# Altium PCB Sensors_IO_Board.PcbDoc (part 1 of 2)
Units mm, origin at the board's own origin, x right, y up, seen from the top; angles counter-clockwise.
Board outline 100 x 100 mm, 2 copper layers (Top Layer, Bottom Layer); 246 components, 158 nets, 760 pads, 0 vias.
Unrouted connection lines stored in the file: 558.
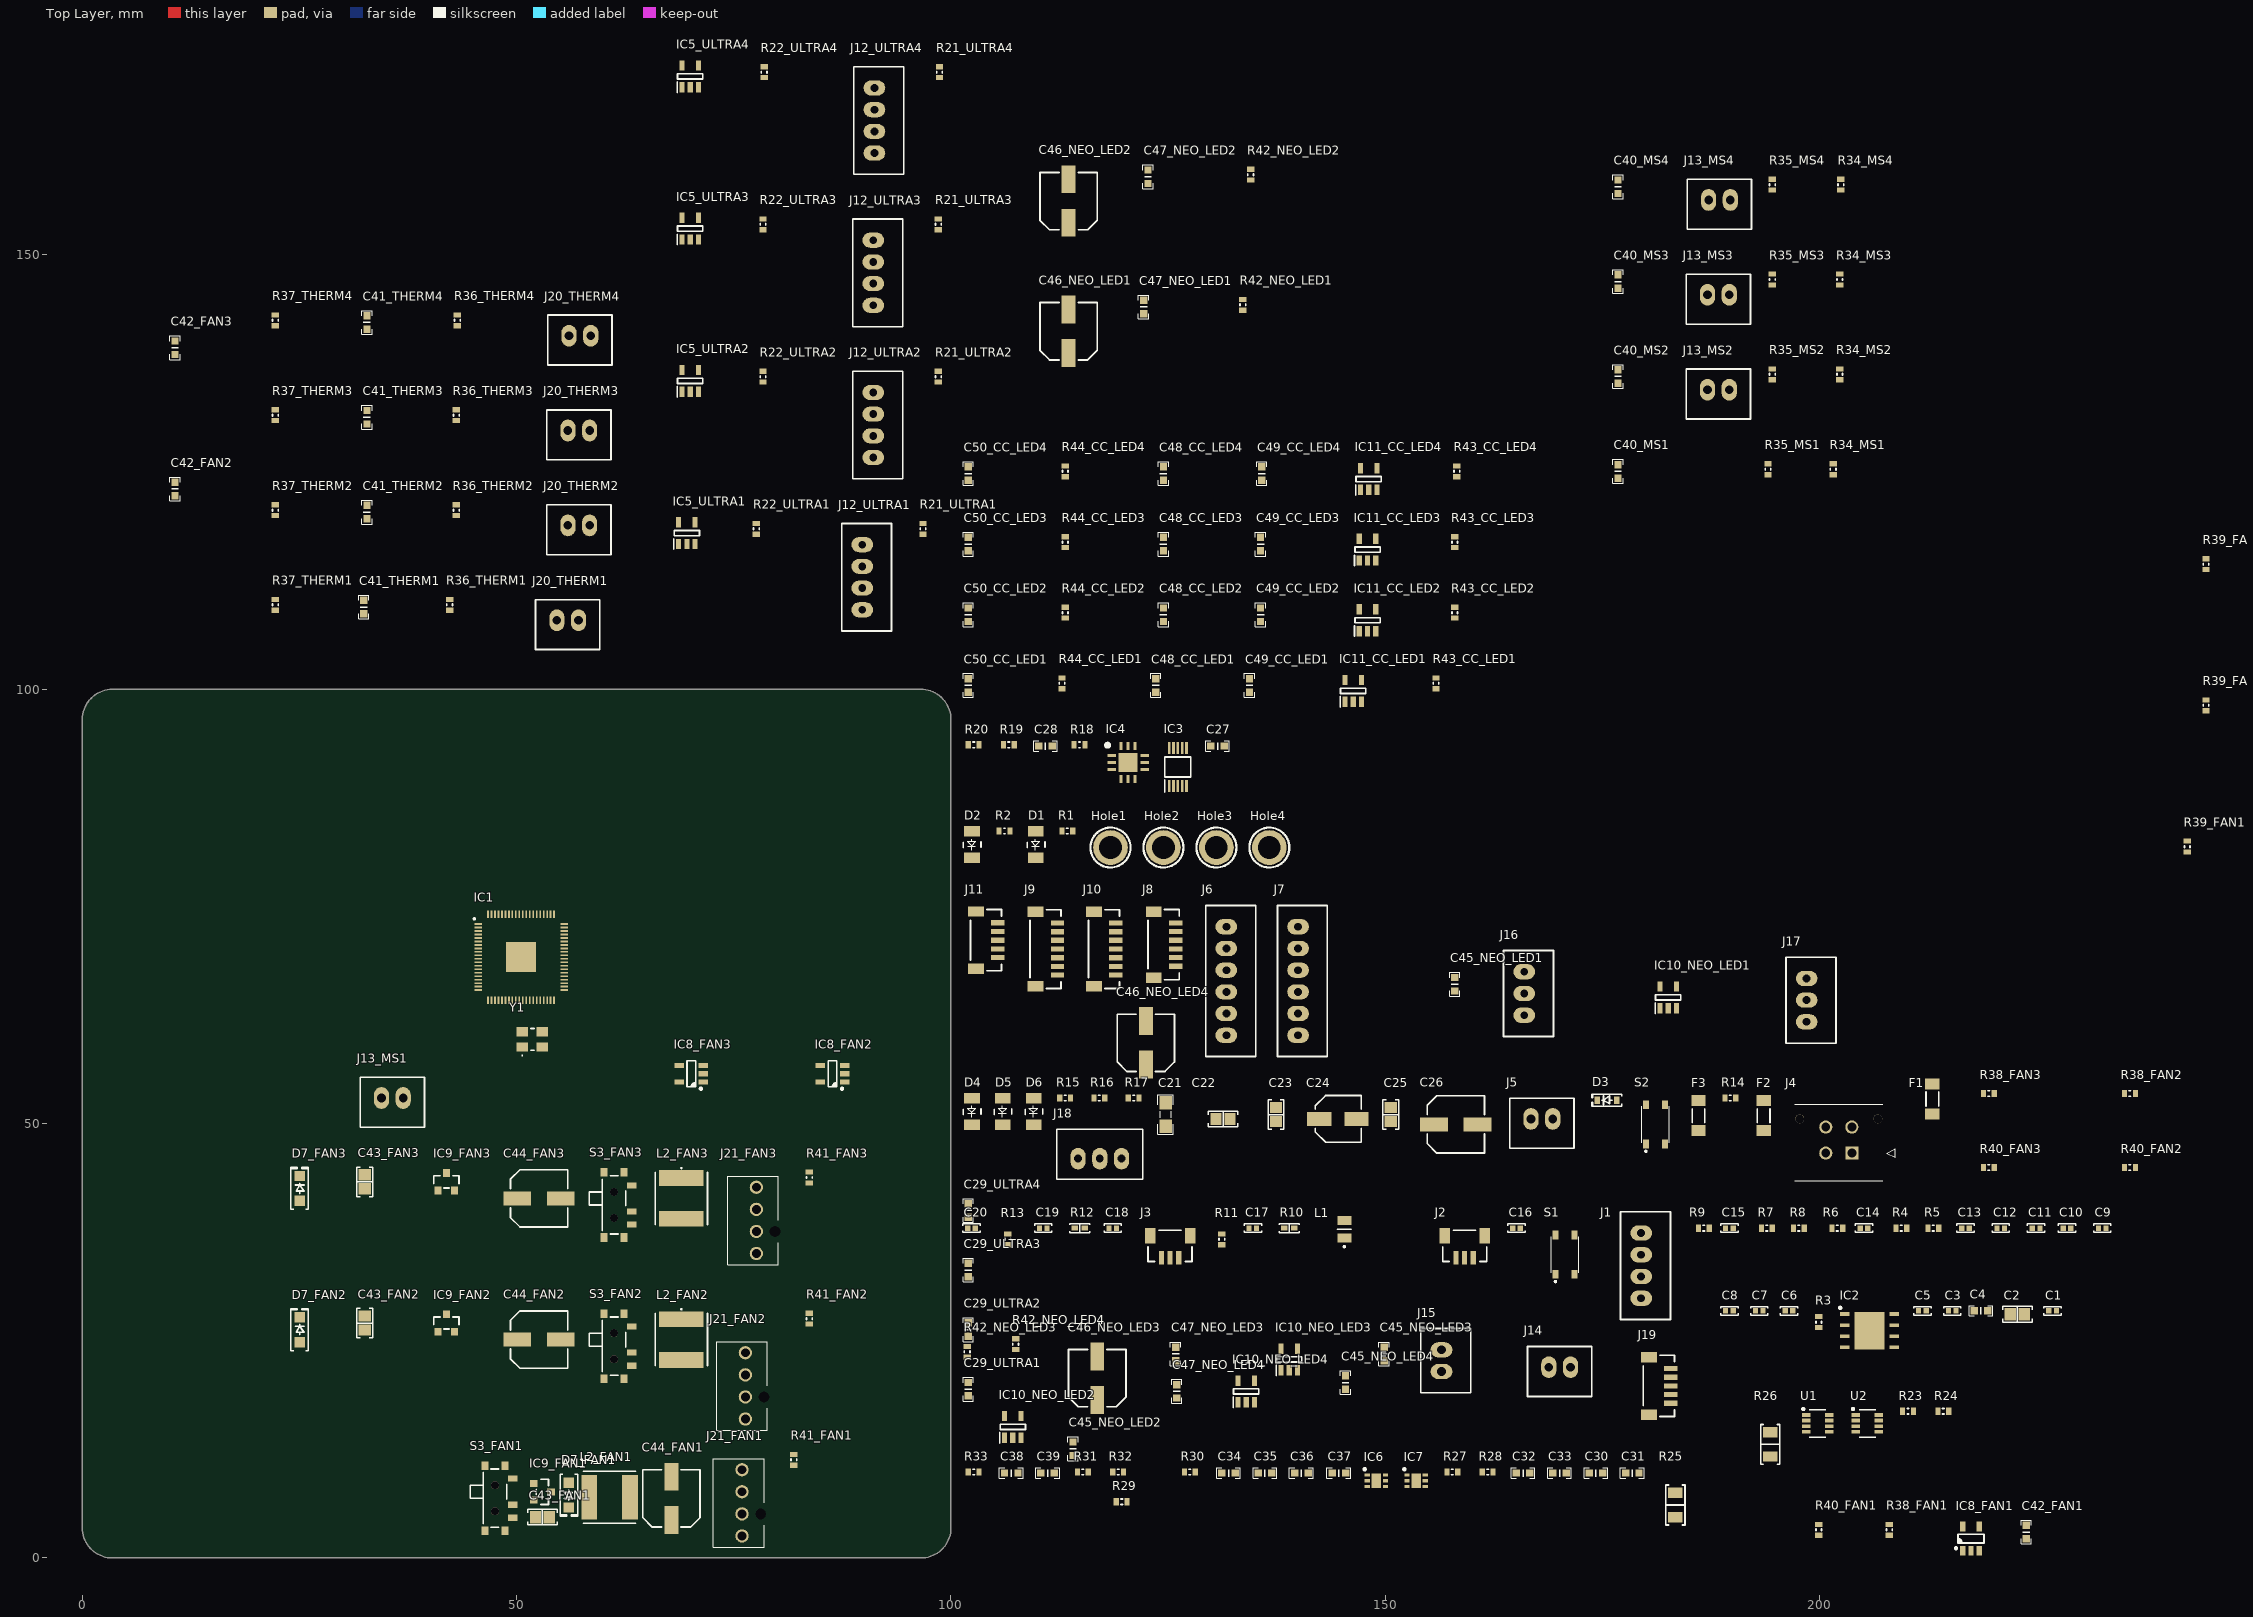
[diagram p0: Top Layer view]
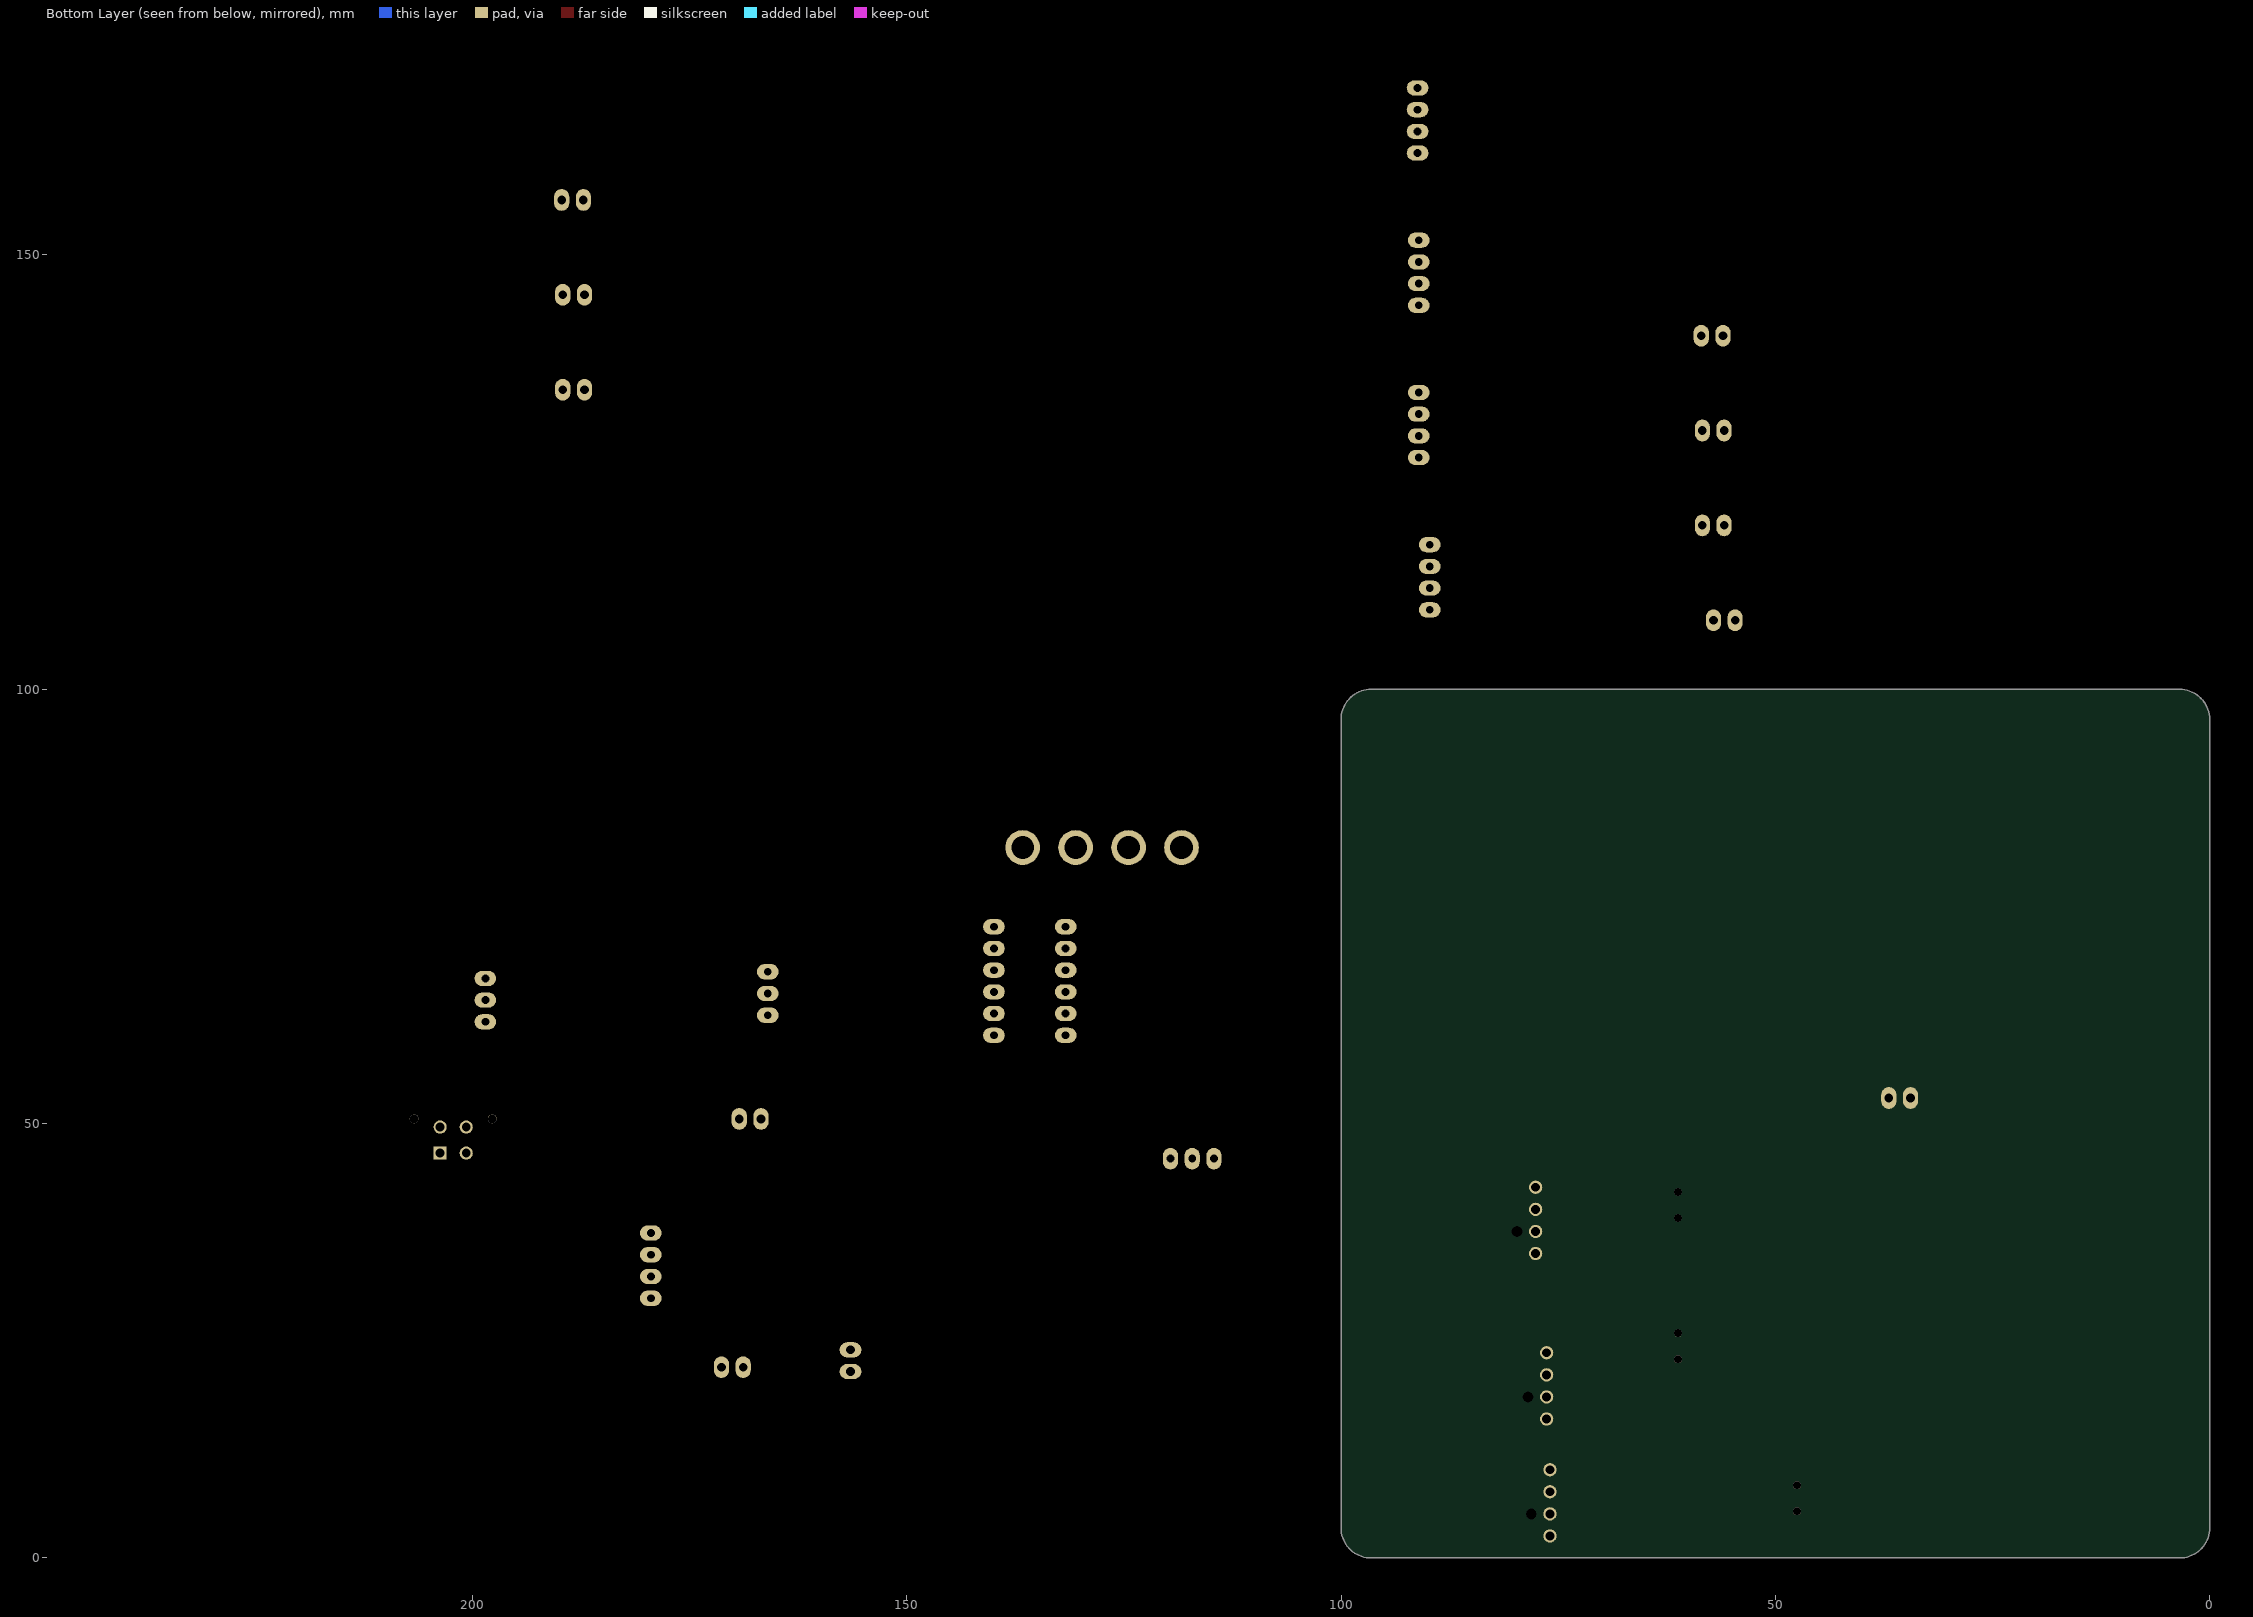
[diagram p1: Bottom Layer view, seen from below]

## Layer stack, top to bottom
Top Solder: solder mask 0.0102, Solder Resist, Dk 3.5
Top Layer: signal copper 0.0356
Dielectric 1: dielectric 0.32, FR-4, Dk 4.8
Bottom Layer: signal copper 0.0356
Bottom Solder: solder mask 0.0102, Solder Resist, Dk 3.5

## Board outline
3.479,0 cw(c3.479,3.479) 0,3.479 0,96.521 cw(c3.479,96.521) 3.479,100 96.521,100 cw(c96.521,96.521) 100,96.521 100,3.479 cw(c96.521,3.479) 96.521,0

## Design rules (kind name [scope] priority, off if disabled: settings)
BoardOutlineClearance [All] p1: gap=0.2 ignorepadtopadclearanceinfootprint=FALSE except(0: Fill-OutlineEdge Fill-CavityEdge Fill-CutoutEdge Fill-SplitBarrior Fill-SplitContinuation Poly-OutlineEdge Poly-CavityEdge Poly-CutoutEdge Poly-SplitBarrior Poly-SplitContinuation Region-OutlineEdge Region-CavityEdge Region-CutoutEdge Region-SplitBarrior Region-SplitContinuation; 0.15: Text-OutlineEdge Text-CavityEdge Text-CutoutEdge Text-SplitBarrior Text-SplitContinuation)
Clearance "Stitching GND" [IsStitchingVia and InNet('GND') vs (IsVia and (Not IsStitchingVia)) Or IsPad] p1: gap=0.2 ignorepadtopadclearanceinfootprint=FALSE except(0.28: Arc-Hole Track-Hole)
Clearance [All] p2: gap=0.2 ignorepadtopadclearanceinfootprint=FALSE except(0.28: Arc-Hole Track-Hole)
DiffPairsRouting [All] p1: maxlimit=0.254 minlimit=0.254 mostfreqgap=0.254 toplayer_minwidth=0.381 toplayer_maxwidth=0.5 toplayer_prefwidth=0.4 bottomlayer_minwidth=0.381 bottomlayer_maxwidth=0.5 bottomlayer_prefwidth=0.4 maxuncoupledlength=12.7
HoleSize [All] p1: absolutevalues=TRUE maxlimit=6 minlimit=0.15 maxpercent=80.000 minpercent=20.000
HoleToHoleClearance [All] p1: gap=0.2 allowstackedmicrovias=TRUE
MinimumAnnularRing MinimumViaAnnularRing [IsVia] p1: minimumring=0.15
MinimumAnnularRing [All] p2: minimumring=0.2
MinimumSolderMaskSliver [All] p1: minsoldermaskwidth=0.1
PlaneConnect [All] p1: planeconnectstyle=Relief reliefexpansion=0.508 reliefentries=4 reliefconductorwidth=0.32 reliefairgap=0.254
PolygonConnect GNDStitchingDirect [InNet('GND')] p1: thpad.connectstyle=Relief thpad.reliefconductorwidth=0.32 thpad.reliefentries=4 thpad.polygonreliefangle="90 Angle" thpad.airgapwidth=0.254 thpad.conductorbypadedge=TRUE thpad.mindistance=0.381 thpad.enablemindistance=FALSE smdpad.connectstyle=Relief smdpad.reliefconductorwidth=0.32 smdpad.reliefentries=4 smdpad.polygonreliefangle="90 Angle" smdpad.airgapwidth=0.254 smdpad.conductorbypadedge=TRUE smdpad.mindistance=0.381 smdpad.enablemindistance=FALSE via.connectstyle=Direct via.reliefconductorwidth=0.254 via.reliefentries=4 via.polygonreliefangle="90 Angle" via.airgapwidth=0.254
PolygonConnect [All] p2: connectstyle=Relief reliefconductorwidth=0.32 reliefentries=4 polygonreliefangle="90 Angle" conductorbypadedge=TRUE mindistance=0.381 enablemindistance=FALSE airgapwidth=0.254
RoutingVias [All] p1: holewidth=0.4 width=0.8 viastyle="Through Hole" minholewidth=0.2 minwidth=0.5 maxholewidth=0.8 maxwidth=1.5
SilkToSilkClearance [All] p1: silktosilkclearance=0.1
SilkToSolderMaskClearance [IsPad] p1: minsilkscreentomaskgap=0.1 clearancetoexposedcopper=TRUE
SolderMaskExpansion [All] p1: expansion=0.04 istentingtop=FALSE
SupplyNets "Schematic Supply Nets_9" [InNet('VBAT_AUX')] p1: voltage=12.60
SupplyNets "Schematic Supply Nets_4" [InNet('VBAT')] p2: voltage=12.60
SupplyNets "Schematic Supply Nets_3" [InNet('+5V_AUX')] p3: voltage=5.000
SupplyNets "Schematic Supply Nets_2" [InNet('+5V')] p4: voltage=5.000
SupplyNets "Schematic Supply Nets" [InNet('+3V3')] p5: voltage=3.300
SupplyNets "Schematic Supply Nets_1" [InNet('GND')] p6: voltage=0.000
UnRoutedNet [All] p1: checkbadconnections=TRUE
Width [All] p1: maxlimit=1.4 minlimit=0.254 preferedwidth=0.6
22 further rules are at their usual default settings.

## Classes and differential pairs
net class NEOPIXEL_DOUT[1..3]: NEOPIXEL_DOUT1 NEOPIXEL_DOUT2 NEOPIXEL_DOUT3
component class NEO_LED4: C45_NEO_LED4 C46_NEO_LED4 C47_NEO_LED4 IC10_NEO_LED4 R42_NEO_LED4
net class CC_LED_OUT[1..4]: CC_LED_OUT1 CC_LED_OUT2 CC_LED_OUT3 CC_LED_OUT4
component class NEO_LED3: C45_NEO_LED3 C46_NEO_LED3 C47_NEO_LED3 IC10_NEO_LED3 R42_NEO_LED3
component class Sensors_IO_Board: D1 D2 Hole1 Hole2 Hole3 Hole4 R1 R2
channel class Ultrasonic_Interface: ULTRA1 ULTRA2 ULTRA3 ULTRA4
channel class Temp_Interface: THERM1 THERM2 THERM3 THERM4
channel class Neopixel_Interface: NEO_LED1 NEO_LED2 NEO_LED3 NEO_LED4
channel class Microswitch_Interface: MS1 MS2 MS3 MS4
channel class Fan_Drive: FAN1 FAN2 FAN3
channel class CC_LED_Drive: CC_LED1 CC_LED2 CC_LED3 CC_LED4
net class NEOPIXEL_DIN[1..4]: NEOPIXEL_DIN1 NEOPIXEL_DIN2 NEOPIXEL_DIN3 NEOPIXEL_DIN4
net class CC_PWM_LED[1..4]: CC_PWM_LED1 CC_PWM_LED2 CC_PWM_LED3 CC_PWM_LED4
component class ULTRA4: C29_ULTRA4 IC5_ULTRA4 J12_ULTRA4 R21_ULTRA4 R22_ULTRA4
component class ULTRA3: C29_ULTRA3 IC5_ULTRA3 J12_ULTRA3 R21_ULTRA3 R22_ULTRA3
component class ULTRA2: C29_ULTRA2 IC5_ULTRA2 J12_ULTRA2 R21_ULTRA2 R22_ULTRA2
component class ULTRA1: C29_ULTRA1 IC5_ULTRA1 J12_ULTRA1 R21_ULTRA1 R22_ULTRA1
component class THERM_CTRL: C27 C28 IC3 IC4 R18 R19 R20
component class THERM4: C41_THERM4 J20_THERM4 R36_THERM4 R37_THERM4
component class THERM3: C41_THERM3 J20_THERM3 R36_THERM3 R37_THERM3
component class THERM2: C41_THERM2 J20_THERM2 R36_THERM2 R37_THERM2
component class THERM1: C41_THERM1 J20_THERM1 R36_THERM1 R37_THERM1
component class SENS_IO: J6 J7 J8 J9 J10 J11
component class PWR: C21 C22 C23 C24 C25 C26 D3 D4 D5 D6 F1 F2 F3 J4 J5 R14 R15 R16 R17 S2
component class NEO_LED2: C45_NEO_LED2 C46_NEO_LED2 C47_NEO_LED2 IC10_NEO_LED2 R42_NEO_LED2
component class NEO_LED1: C45_NEO_LED1 C46_NEO_LED1 C47_NEO_LED1 IC10_NEO_LED1 R42_NEO_LED1
component class MS4: C40_MS4 J13_MS4 R34_MS4 R35_MS4
component class MS3: C40_MS3 J13_MS3 R34_MS3 R35_MS3
component class MS2: C40_MS2 J13_MS2 R34_MS2 R35_MS2
component class MS1: C40_MS1 J13_MS1 R34_MS1 R35_MS1
component class MCU: C1 C2 C3 C4 C5 C6 C7 C8 C9 C10 C11 C12 C13 C14 C15 C16 C17 C18 C19 C20 IC1 IC2 J1 J2 J3 L1 R3 R4 R5 R6 R7 R8 R9 R10 R11 R12 R13 S1 Y1
component class LIGHTING: J14 J15 J16 J17 J18 J19
component class FAN3: C42_FAN3 C43_FAN3 C44_FAN3 D7_FAN3 IC8_FAN3 IC9_FAN3 J21_FAN3 L2_FAN3 R38_FAN3 R39_FAN3 R40_FAN3 R41_FAN3 S3_FAN3
component class FAN2: C42_FAN2 C43_FAN2 C44_FAN2 D7_FAN2 IC8_FAN2 IC9_FAN2 J21_FAN2 L2_FAN2 R38_FAN2 R39_FAN2 R40_FAN2 R41_FAN2 S3_FAN2
component class FAN1: C42_FAN1 C43_FAN1 C44_FAN1 D7_FAN1 IC8_FAN1 IC9_FAN1 J21_FAN1 L2_FAN1 R38_FAN1 R39_FAN1 R40_FAN1 R41_FAN1 S3_FAN1
component class CC_LED4: C48_CC_LED4 C49_CC_LED4 C50_CC_LED4 IC11_CC_LED4 R43_CC_LED4 R44_CC_LED4
component class CC_LED3: C48_CC_LED3 C49_CC_LED3 C50_CC_LED3 IC11_CC_LED3 R43_CC_LED3 R44_CC_LED3
component class CC_LED2: C48_CC_LED2 C49_CC_LED2 C50_CC_LED2 IC11_CC_LED2 R43_CC_LED2 R44_CC_LED2
component class CC_LED1: C48_CC_LED1 C49_CC_LED1 C50_CC_LED1 IC11_CC_LED1 R43_CC_LED1 R44_CC_LED1
component class AUX_PWR: C30 C31 C32 C33 C34 C35 C36 C37 C38 C39 IC6 IC7 R23 R24 R25 R26 R27 R28 R29 R30 R31 R32 R33 U1 U2
differential pair USB_DIFF: +USB_DIFF_P -USB_DIFF_N

## Components (designator, comment, footprint, x,y, rotation, side; value= is the part's Value field where it differs from the comment)
C1 "100nF" "CAP 0402_1005" 226.822,28.448 r0 top
C2 "10uF" "CAP 0805_2012" 222.758,28.067 r0 top
C3 "100nF" "CAP 0402_1005" 215.265,28.448 r0 top
C4 "100nF" CAP_SMD_603 218.567,28.448 r0 top
C5 "100nF" "CAP 0402_1005" 211.836,28.448 r0 top
C6 "100nF" "CAP 0402_1005" 196.469,28.448 r0 top
C7 "100nF" "CAP 0402_1005" 193.04,28.448 r0 top
C8 "100nF" "CAP 0402_1005" 189.611,28.448 r0 top
C9 "470nF" "CAP 0402_1005" 232.537,37.973 r0 top
C10 "100nF" "CAP 0402_1005" 228.473,37.973 r0 top
C11 "100nF" "CAP 0402_1005" 224.917,37.973 r0 top
C12 "100nF" "CAP 0402_1005" 220.853,37.973 r0 top
C13 "100nF" "CAP 0402_1005" 216.789,37.973 r0 top
C14 "100nF" "CAP 0402_1005" 205.105,37.973 r0 top
C15 "470nF" "CAP 0402_1005" 189.611,37.973 r0 top
C16 "15pF" "CAP 0402_1005" 165.1,37.973 r0 top
C17 "470nF" "CAP 0402_1005" 134.747,37.973 r0 top
C18 "15pF" "CAP 0402_1005" 118.618,37.973 r0 top
C19 "470nF" "CAP 0402_1005" 110.617,37.973 r0 top
C20 "470nF" "CAP 0402_1005" 102.362,37.973 r0 top
C21 "1uF" CAP_SMD_805 124.714,51.054 r90 top
C22 "22 µF" "CAP 0805_2012" 131.318,50.546 r0 top
C23 "10uF" "CAP 0805_2012" 137.414,51.054 r90 top
C24 "100uF" "CAP ALSMD 5.3MM H5.4MM" 144.526,50.546 r0 top
C25 "10uF" "CAP 0805_2012" 150.622,51.054 r90 top
C26 "100uF" "CAP ALSMD 6.6MM H5.4MM" 158.115,49.911 r0 top
C27 "100nF" CAP_SMD_603 130.683,93.472 r0 top
C28 "100nF" CAP_SMD_603 110.871,93.472 r0 top
C29_ULTRA1 "100nF" CAP_SMD_603 101.981,19.431 r90 top (schematic designator C29)
C29_ULTRA2 "100nF" CAP_SMD_603 101.981,26.289 r90 top (schematic designator C29)
C29_ULTRA3 "100nF" CAP_SMD_603 101.981,33.147 r90 top (schematic designator C29)
C29_ULTRA4 "100nF" CAP_SMD_603 101.981,40.005 r90 top (schematic designator C29)
C30 "100nF" CAP_SMD_603 174.244,9.779 r0 top
C31 "100nF" CAP_SMD_603 178.435,9.779 r0 top
C32 "1uF" CAP_SMD_603 165.862,9.779 r0 top
C33 "1uF" CAP_SMD_603 170.053,9.779 r0 top
C34 "1uF" CAP_SMD_603 131.953,9.779 r0 top
C35 "100nF" CAP_SMD_603 136.144,9.779 r0 top
C36 "1uF" CAP_SMD_603 140.335,9.779 r0 top
C37 "100nF" CAP_SMD_603 144.653,9.779 r0 top
C38 "4.7nF" CAP_SMD_603 106.934,9.779 r0 top
C39 "4.7nF" CAP_SMD_603 111.125,9.779 r0 top
C40_MS1 "1uF" CAP_SMD_603 176.784,125.095 r90 top (schematic designator C40)
C40_MS2 "1uF" CAP_SMD_603 176.784,136.017 r90 top (schematic designator C40)
C40_MS3 "1uF" CAP_SMD_603 176.784,146.939 r90 top (schematic designator C40)
C40_MS4 "1uF" CAP_SMD_603 176.784,157.861 r90 top (schematic designator C40)
C41_THERM1 "100nF" CAP_SMD_603 32.385,109.474 r90 top (schematic designator C41)
C41_THERM2 "100nF" CAP_SMD_603 32.766,120.396 r90 top (schematic designator C41)
C41_THERM3 "100nF" CAP_SMD_603 32.766,131.318 r90 top (schematic designator C41)
C41_THERM4 "100nF" CAP_SMD_603 32.766,142.24 r90 top (schematic designator C41)
C42_FAN1 "100nF" CAP_SMD_603 223.774,2.987 r90 top (schematic designator C42)
C42_FAN2 "100nF" CAP_SMD_603 10.668,123.063 r90 top (schematic designator C42)
C42_FAN3 "100nF" CAP_SMD_603 10.668,139.319 r90 top (schematic designator C42)
C43_FAN1 "10uF" "CAP 0805_2012" 52.959,4.699 r180 top (schematic designator C43)
C43_FAN2 "10uF" "CAP 0805_2012" 32.512,27.051 r90 top (schematic designator C43)
C43_FAN3 "10uF" "CAP 0805_2012" 32.512,43.307 r90 top (schematic designator C43)
C44_FAN1 "47 µF" "CAP ALSMD 6.6MM H5.4MM" 67.818,6.858 r90 top (schematic designator C44)
C44_FAN2 "47 µF" "CAP ALSMD 6.6MM H5.4MM" 52.578,25.146 r0 top (schematic designator C44)
C44_FAN3 "47 µF" "CAP ALSMD 6.6MM H5.4MM" 52.578,41.402 r0 top (schematic designator C44)
C45_NEO_LED1 "100nF" CAP_SMD_603 157.988,66.053 r90 top (schematic designator C45)
C45_NEO_LED2 "100nF" CAP_SMD_603 114.046,12.573 r90 top (schematic designator C45)
C45_NEO_LED3 "100nF" CAP_SMD_603 149.86,23.495 r90 top (schematic designator C45)
C45_NEO_LED4 "100nF" CAP_SMD_603 145.415,20.193 r90 top (schematic designator C45)
C46_NEO_LED1 "47 µF" "CAP ALSMD 6.6MM H5.4MM" 113.538,141.224 r90 top (schematic designator C46)
C46_NEO_LED2 "47 µF" "CAP ALSMD 6.6MM H5.4MM" 113.538,156.21 r90 top (schematic designator C46)
C46_NEO_LED3 "47 µF" "CAP ALSMD 6.6MM H5.4MM" 116.84,20.701 r90 top (schematic designator C46)
C46_NEO_LED4 "47 µF" "CAP ALSMD 6.6MM H5.4MM" 122.428,59.309 r90 top (schematic designator C46)
C47_NEO_LED1 "100nF" CAP_SMD_603 122.174,144.018 r90 top (schematic designator C47)
C47_NEO_LED2 "100nF" CAP_SMD_603 122.682,159.004 r90 top (schematic designator C47)
C47_NEO_LED3 "100nF" CAP_SMD_603 125.857,23.495 r90 top (schematic designator C47)
C47_NEO_LED4 "100nF" CAP_SMD_603 125.984,19.19 r90 top (schematic designator C47)
C48_CC_LED1 "2.2uF" CAP_SMD_603 123.571,100.457 r90 top (schematic designator C48)
C48_CC_LED2 "2.2uF" CAP_SMD_603 124.46,108.585 r90 top (schematic designator C48)
C48_CC_LED3 "2.2uF" CAP_SMD_603 124.46,116.713 r90 top (schematic designator C48)
C48_CC_LED4 "2.2uF" CAP_SMD_603 124.46,124.841 r90 top (schematic designator C48)
C49_CC_LED1 "10nF" CAP_SMD_603 134.366,100.457 r90 top (schematic designator C49)
C49_CC_LED2 "10nF" CAP_SMD_603 135.636,108.585 r90 top (schematic designator C49)
C49_CC_LED3 "10nF" CAP_SMD_603 135.636,116.713 r90 top (schematic designator C49)
C49_CC_LED4 "10nF" CAP_SMD_603 135.763,124.841 r90 top (schematic designator C49)
C50_CC_LED1 "100nF" CAP_SMD_603 101.981,100.457 r90 top (schematic designator C50)
C50_CC_LED2 "100nF" CAP_SMD_603 101.981,108.585 r90 top (schematic designator C50)
C50_CC_LED3 "100nF" CAP_SMD_603 101.981,116.713 r90 top (schematic designator C50)
C50_CC_LED4 "100nF" CAP_SMD_603 101.981,124.841 r90 top (schematic designator C50)
D1 "LED" LED_1206 109.728,82.169 r90 top
D2 "LED" LED_1206 102.362,82.169 r90 top
D3 "BAS416,115" "SOD323 IPC" 175.514,52.705 r0 top
D4 "LED" LED_1206 102.362,51.435 r90 top
D5 "LED" LED_1206 105.918,51.435 r90 top
D6 "LED" LED_1206 109.474,51.435 r90 top
D7_FAN1 "MBR230LSFT1G" SOD123F 56.007,7.239 r270 top (schematic designator D7)
D7_FAN2 "MBR230LSFT1G" SOD123F 25.019,26.289 r90 top (schematic designator D7)
D7_FAN3 "MBR230LSFT1G" SOD123F 25.019,42.545 r90 top (schematic designator D7)
F1 "SF-1206F200-2" "FUSE 1206_3216 0.6MM" 212.979,52.832 r90 top
F2 "SF-1206F200-2" "FUSE 1206_3216 0.6MM" 193.548,50.927 r90 top
F3 "SF-1206F200-2" "FUSE 1206_3216 0.6MM" 186.055,50.927 r90 top
Hole1 "Hole" hole_2.6 118.364,81.788 r0 top
Hole2 "Hole" hole_2.6 124.46,81.788 r0 top
Hole3 "Hole" hole_2.6 130.556,81.788 r0 top
Hole4 "Hole" hole_2.6 136.652,81.788 r0 top
IC1 "RP2350B" QFN40P1000X1000X90-81N-D 50.508,69.177 r0 top
IC2 "W25Q64JVZPIQ" SON127P600X500X80-9N-D 205.74,26.162 r0 top
IC3 "ADS1115IDGSR" SOP50P490X110-10N 126.111,91.059 r90 top
IC4 "EMC2303-1-KP-TR" QFN80P400X400X90-13N-D 120.396,91.567 r0 top
IC5_ULTRA1 "SN74AHCT1G125DBVR" SOT95P280X145-5N 69.596,117.983 r90 top (schematic designator IC5)
IC5_ULTRA2 "SN74AHCT1G125DBVR" SOT95P280X145-5N 69.977,135.509 r90 top (schematic designator IC5)
IC5_ULTRA3 "SN74AHCT1G125DBVR" SOT95P280X145-5N 69.977,153.035 r90 top (schematic designator IC5)
IC5_ULTRA4 "SN74AHCT1G125DBVR" SOT95P280X145-5N 69.977,170.561 r90 top (schematic designator IC5)
IC6 "TPS22810DRVR" SON65P200X200X80-7N 148.971,8.89 r0 top
IC7 "TPS22810DRVR" SON65P200X200X80-7N 153.543,8.89 r0 top
IC8_FAN1 "MCP1401T-E/OT" "MICROCHIP SOT-23-5 OT" 217.424,2.225 r90 top (schematic designator IC8)
IC8_FAN2 "MCP1401T-E/OT" "MICROCHIP SOT-23-5 OT" 86.36,55.753 r180 top (schematic designator IC8)
IC8_FAN3 "MCP1401T-E/OT" "MICROCHIP SOT-23-5 OT" 70.104,55.753 r180 top (schematic designator IC8)
IC9_FAN1 "DMP3099L-7" "DIODES SOT-23-3" 52.959,7.62 r0 top (schematic designator IC9)
IC9_FAN2 "DMP3099L-7" "DIODES SOT-23-3" 41.91,27.051 r90 top (schematic designator IC9)
IC9_FAN3 "DMP3099L-7" "DIODES SOT-23-3" 41.91,43.307 r90 top (schematic designator IC9)
IC10_NEO_LED1 "SN74AHCT1G125DBVR" SOT95P280X145-5N 182.565,64.536 r90 top (schematic designator IC10)
IC10_NEO_LED2 "SN74AHCT1G125DBVR" SOT95P280X145-5N 107.122,15.093 r90 top (schematic designator IC10)
IC10_NEO_LED3 "SN74AHCT1G125DBVR" SOT95P280X145-5N 138.938,22.86 r90 top (schematic designator IC10)
IC10_NEO_LED4 "SN74AHCT1G125DBVR" SOT95P280X145-5N 133.985,19.177 r90 top (schematic designator IC10)
IC11_CC_LED1 "TPS92612DBVR" SOT95P280X145-5N 146.304,99.822 r90 top (schematic designator IC11)
IC11_CC_LED2 "TPS92612DBVR" SOT95P280X145-5N 147.955,107.95 r90 top (schematic designator IC11)
IC11_CC_LED3 "TPS92612DBVR" SOT95P280X145-5N 147.955,116.078 r90 top (schematic designator IC11)
IC11_CC_LED4 "TPS92612DBVR" SOT95P280X145-5N 148.082,124.206 r90 top (schematic designator IC11)
J1 "B4B-XH-A(LF)(SN)" "JST XH B4B-XH-A" 179.451,33.655 r90 top
J2 "BM03B-SRSS-TB(LF)(SN)" "JST BM03B-SRSS-TB" 159.131,35.814 r0 top
J3 "BM03B-SRSS-TB(LF)(SN)" "JST BM03B-SRSS-TB" 125.222,35.814 r0 top
J4 "43045-0412" 43045-04YY_121314 203.708,46.609 r0 top
J5 "B2B-XH-A(LF)(SN)" "JST XH B2B-XH-A" 168.021,50.546 r0 top
J6 "B6B-XH-A(LF)(SN)" "JST XH B6B-XH-A" 131.699,66.421 r90 top
J7 "B6B-XH-A(LF)(SN)" "JST XH B6B-XH-A" 139.954,66.421 r90 top
J8 "BM06B-SRSS-TB(LF)(SN)" "JST BM06B-SRSS-TB" 124.587,70.612 r90 top
J9 "BM07B-SRSS-TB(LF)(SN)" "JST BM07B-SRSS-TB" 110.998,70.104 r90 top
J10 "BM07B-SRSS-TB(LF)(SN)" "JST BM07B-SRSS-TB" 117.729,70.104 r90 top
J11 "BM05B-SRSS-TB(LF)(SN)" "JST BM05B-SRSS-TB" 104.14,71.12 r90 top
J12_ULTRA1 "B4B-XH-A(LF)(SN)" "JST XH B4B-XH-A" 89.789,112.903 r90 top (schematic designator J12)
J12_ULTRA2 "B4B-XH-A(LF)(SN)" "JST XH B4B-XH-A" 91.059,130.429 r90 top (schematic designator J12)
J12_ULTRA3 "B4B-XH-A(LF)(SN)" "JST XH B4B-XH-A" 91.059,147.955 r90 top (schematic designator J12)
J12_ULTRA4 "B4B-XH-A(LF)(SN)" "JST XH B4B-XH-A" 91.186,165.481 r90 top (schematic designator J12)
J13_MS1 "B2B-XH-A(LF)(SN)" "JST XH B2B-XH-A" 35.687,52.959 r0 top (schematic designator J13)
J13_MS2 "B2B-XH-A(LF)(SN)" "JST XH B2B-XH-A" 188.341,134.493 r0 top (schematic designator J13)
J13_MS3 "B2B-XH-A(LF)(SN)" "JST XH B2B-XH-A" 188.341,145.415 r0 top (schematic designator J13)
J13_MS4 "B2B-XH-A(LF)(SN)" "JST XH B2B-XH-A" 188.468,156.337 r0 top (schematic designator J13)
J14 "B2B-XH-A(LF)(SN)" "JST XH B2B-XH-A" 170.073,21.971 r0 top
J15 "B2B-XH-A(LF)(SN)" "JST XH B2B-XH-A" 156.464,22.713 r90 top
J16 "B3B-XH-A(LF)(SN)" "JST XH B3B-XH-A" 165.989,64.984 r90 top
J17 "B3B-XH-A(LF)(SN)" "JST XH B3B-XH-A" 198.501,64.222 r90 top
J18 "B3B-XH-A(LF)(SN)" "JST XH B3B-XH-A" 117.134,45.974 r180 top
J19 "BM05B-SRSS-TB(LF)(SN)" "JST BM05B-SRSS-TB" 181.61,19.812 r90 top
J20_THERM1 "B2B-XH-A(LF)(SN)" "JST XH B2B-XH-A" 55.88,107.95 r0 top (schematic designator J20)
J20_THERM2 "B2B-XH-A(LF)(SN)" "JST XH B2B-XH-A" 57.15,118.872 r0 top (schematic designator J20)
J20_THERM3 "B2B-XH-A(LF)(SN)" "JST XH B2B-XH-A" 57.15,129.794 r0 top (schematic designator J20)
J20_THERM4 "B2B-XH-A(LF)(SN)" "JST XH B2B-XH-A" 57.277,140.716 r0 top (schematic designator J20)
J21_FAN1 "0470531000" 0470531000 75.946,2.54 r90 top (schematic designator J21)
J21_FAN2 "0470531000" 0470531000 76.327,16.002 r90 top (schematic designator J21)
J21_FAN3 "0470531000" 0470531000 77.597,35.052 r90 top (schematic designator J21)
L1 "3.3uH" AOTAB201610S3R3101T 145.288,37.846 r90 top
L2_FAN1 "SRN6045TA-680M" SRN6045TA 60.706,6.985 r90 top (schematic designator L2)
L2_FAN2 "SRN6045TA-680M" SRN6045TA 68.961,25.146 r0 top (schematic designator L2)
L2_FAN3 "SRN6045TA-680M" SRN6045TA 68.961,41.402 r0 top (schematic designator L2)
R1 "220R" RES_0603 112.776,83.693 r0 top
R2 "220R" RES_0603 105.537,83.693 r0 top
R3 "1k" RES_0603 199.898,26.543 r90 top
R4 "10k" RES_0603 208.788,37.973 r0 top
R5 "10k" RES_0603 212.471,37.973 r0 top
R6 "27R" RES_0603 201.422,37.973 r0 top
R7 "10k" RES_0603 193.294,37.973 r0 top
R8 "10k" RES_0603 196.977,37.973 r0 top
R9 "27R" RES_0603 186.055,37.973 r0 top
R10 "33R" "RES 0402_1005" 138.938,37.973 r0 top
R11 "100R" RES_0603 131.191,36.068 r90 top
R12 "1k" "RES 0402_1005" 114.808,37.973 r0 top
R13 "100R" RES_0603 106.553,36.068 r90 top
R14 "25.5k" RES_0603 189.103,52.959 r0 top
R15 "1.76k" RES_0603 112.522,52.959 r0 top
R16 "330R" RES_0603 116.459,52.959 r0 top
R17 "220R" RES_0603 120.396,52.959 r0 top
R18 "33k" RES_0603 114.173,93.599 r0 top
R19 "22k" RES_0603 106.045,93.599 r0 top
R20 "4.7k" RES_0603 101.981,93.599 r0 top
R21_ULTRA1 "10k" RES_0603 96.774,117.856 r90 top (schematic designator R21)
R21_ULTRA2 "10k" RES_0603 98.552,135.382 r90 top (schematic designator R21)
R21_ULTRA3 "10k" RES_0603 98.552,152.908 r90 top (schematic designator R21)
R21_ULTRA4 "10k" RES_0603 98.679,170.434 r90 top (schematic designator R21)
R22_ULTRA1 "20k" RES_0603 77.597,117.856 r90 top (schematic designator R22)
R22_ULTRA2 "20k" RES_0603 78.359,135.382 r90 top (schematic designator R22)
R22_ULTRA3 "20k" RES_0603 78.359,152.908 r90 top (schematic designator R22)
R22_ULTRA4 "20k" RES_0603 78.486,170.434 r90 top (schematic designator R22)
R23 "27R" RES_0603 209.55,16.891 r0 top
R24 "27R" RES_0603 213.614,16.891 r0 top
R25 "7 mOhms" "RES 1206_3216" 183.388,6.096 r90 top
R26 "7 mOhms" "RES 1206_3216" 194.31,13.081 r90 top
R27 "27R" RES_0603 157.099,9.906 r0 top
R28 "27R" RES_0603 161.163,9.906 r0 top
R29 "330R" RES_0603 119.025,6.477 r0 top
R30 "330R" RES_0603 126.873,9.906 r0 top
R31 "10k" RES_0603 114.554,9.906 r0 top
R32 "10k" RES_0603 118.618,9.906 r0 top
R33 "4.7k" RES_0603 101.981,9.906 r0 top
R34_MS1 "10k" RES_0603 201.549,124.714 r90 top (schematic designator R34)
R34_MS2 "10k" RES_0603 202.311,135.636 r90 top (schematic designator R34)
R34_MS3 "10k" RES_0603 202.311,146.558 r90 top (schematic designator R34)
R34_MS4 "10k" RES_0603 202.438,157.48 r90 top (schematic designator R34)
R35_MS1 "1k" RES_0603 194.056,124.714 r90 top (schematic designator R35)
R35_MS2 "1k" RES_0603 194.564,135.636 r90 top (schematic designator R35)
R35_MS3 "1k" RES_0603 194.564,146.558 r90 top (schematic designator R35)
R35_MS4 "1k" RES_0603 194.564,157.48 r90 top (schematic designator R35)
R36_THERM1 "100R" RES_0603 42.291,109.093 r90 top (schematic designator R36)
R36_THERM2 "100R" RES_0603 43.053,120.015 r90 top (schematic designator R36)
R36_THERM3 "100R" RES_0603 43.053,130.937 r90 top (schematic designator R36)
R36_THERM4 "100R" RES_0603 43.18,141.859 r90 top (schematic designator R36)
R37_THERM1 "6.8k" RES_0603 22.225,109.093 r90 top (schematic designator R37)
R37_THERM2 "6.8k" RES_0603 22.225,120.015 r90 top (schematic designator R37)
R37_THERM3 "6.8k" RES_0603 22.225,130.937 r90 top (schematic designator R37)
R37_THERM4 "6.8k" RES_0603 22.225,141.859 r90 top (schematic designator R37)
R38_FAN1 "10k" RES_0603 208.026,2.606 r90 top (schematic designator R38)
R38_FAN2 "10k" RES_0603 236.347,53.467 r180 top (schematic designator R38)
R38_FAN3 "10k" RES_0603 220.091,53.467 r180 top (schematic designator R38)
R39_FAN1 "27R" RES_0603 242.316,81.28 r90 top (schematic designator R39)
R39_FAN2 "27R" RES_0603 244.475,97.536 r90 top (schematic designator R39)
R39_FAN3 "27R" RES_0603 244.475,113.792 r90 top (schematic designator R39)
R40_FAN1 "10k" RES_0603 199.898,2.606 r90 top (schematic designator R40)
R40_FAN2 "10k" RES_0603 236.347,44.958 r180 top (schematic designator R40)
R40_FAN3 "10k" RES_0603 220.091,44.958 r180 top (schematic designator R40)
R41_FAN1 "100R" RES_0603 81.915,10.668 r90 top (schematic designator R41)
R41_FAN2 "100R" RES_0603 83.693,26.924 r90 top (schematic designator R41)
R41_FAN3 "100R" RES_0603 83.693,43.18 r90 top (schematic designator R41)
R42_NEO_LED1 "330R" RES_0603 133.604,143.637 r90 top (schematic designator R42)
R42_NEO_LED2 "330R" RES_0603 134.493,158.623 r90 top (schematic designator R42)
R42_NEO_LED3 "330R" RES_0603 101.854,23.114 r90 top (schematic designator R42)
R42_NEO_LED4 "330R" RES_0603 107.442,24.003 r90 top (schematic designator R42)
R43_CC_LED1 "1.5R" RES_0603 155.829,100.076 r90 top (schematic designator R43)
R43_CC_LED2 "1.5R" RES_0603 157.988,108.204 r90 top (schematic designator R43)
R43_CC_LED3 "1.5R" RES_0603 157.988,116.332 r90 top (schematic designator R43)
R43_CC_LED4 "1.5R" RES_0603 158.242,124.46 r90 top (schematic designator R43)
R44_CC_LED1 "10k" RES_0603 112.776,100.076 r90 top (schematic designator R44)
R44_CC_LED2 "10k" RES_0603 113.157,108.204 r90 top (schematic designator R44)
R44_CC_LED3 "10k" RES_0603 113.157,116.332 r90 top (schematic designator R44)
R44_CC_LED4 "10k" RES_0603 113.157,124.46 r90 top (schematic designator R44)
S1 "PTS815_SJK_250_SMTR_LFS" PTS815SJK250SMTRLFS 170.688,34.925 r90 top
S2 "PTS815_SJK_250_SMTR_LFS" PTS815SJK250SMTRLFS 181.102,49.911 r90 top
S3_FAN1 "450404015514" "WURTH WS-SLSU 450404015514" 47.498,6.882 r90 top (schematic designator S3)
S3_FAN2 "450404015514" "WURTH WS-SLSU 450404015514" 61.214,24.384 r90 top (schematic designator S3)
S3_FAN3 "450404015514" "WURTH WS-SLSU 450404015514" 61.214,40.64 r90 top (schematic designator S3)
U1 "INA236AIDDFR" SOT23-8_DDF_TEX 199.771,15.494 r0 top
U2 "INA236AIDDFR" SOT23-8_DDF_TEX 205.486,15.494 r0 top
Y1 "ABM8-272-T3" ABM8272T3 51.809,59.704 r0 top

## Footprints (in the part's own frame and the unit in brackets; to place one, negate y for a bottom-side part, rotate by r counter-clockwise, add the part's x,y. Pads: shape width x height; smd on the part's side, far side on the other; paste and mask are expansions set on the pad)
43045-04YY_121314 [mm]
  rect 1.52x1.52 hole 1.02: 1(0,0)
  round 1.52 hole 1.02: 2(-3,0) 3(0,3) 4(-3,3)
  round 1.02 hole 1.02 unplated: 5(3,3.94) 6(-6,3.94)
  silkscreen extent -6.58,-3.17 5,5.6, body extent -6.56,-2.44 3.58,6.33, height 9.85
0470531000 [mm]
  round 1.53 hole 1.02: 1(0,0) 2(2.54,0) 3(5.08,0) 4(7.62,0)
  round 0.625 hole 1.25 unplated: MH1(2.54,-2.16)
  silkscreen extent -1.29,-2.54 8.91,3.3, body extent -1.29,-2.54 8.91,3.3, height 9.91
ABM8272T3 [mm]
  rect 1.3x1.05 smd: 1(-1.15,-0.875) 2(1.15,-0.875) 3(1.15,0.875) 4(-1.15,0.875)
  silkscreen extent -1.2,-1.9 0.2,1.25, body extent -1.6,-1.25 1.6,1.25, height 0.75
AOTAB201610S3R3101T [mm]
  rect 1x1.6 smd: 1(-1,0) 2(1,0)
  silkscreen extent -2.1,-0.8 0,0.8, body extent -1,-0.8 1,0.8, height 1
"CAP 0402_1005" [mm] "Chip Capacitor, 2-Leads, Body 1.02x0.51mm, IPC Medium Density"
  rect 0.6x0.64 smd: 1(-0.44,0) 2(0.44,0)
  silkscreen extent -1,-0.5 1,0.5, body extent -0.5,-0.26 0.5,0.26, height 0.52
"CAP 0805_2012" [mm] "Chip Capacitor, 2-Leads, Body 2.00x1.20mm, IPC Medium Density"
  rect 1.3x1.4 smd: 1(-0.8,0) 2(0.8,0)
  silkscreen extent -1.7,-0.9 1.7,0.9, body extent -1,-0.64 1,0.64, height 1.26
"CAP ALSMD 5.3MM H5.4MM" [mm] "Aluminum Electrolytic Capacitor, Body 5.30x5.30x5.40mm, IPC Low Density"
  rect 2.8x1.6 smd: 1(-2.15,0) 2(2.15,0)
  silkscreen extent -2.6,-2.7 2.7,2.7, body extent -2.95,-2.7 2.95,2.7, height 5.4
"CAP ALSMD 6.6MM H5.4MM" [mm] "Aluminum Electrolytic Capacitor, Body 6.60x6.60x5.40mm, IPC Low Density"
  rect 3.2x1.6 smd: 1(-2.5,0) 2(2.5,0)
  silkscreen extent -3.3,-3.3 3.3,3.3, body extent -3.5,-3.3 3.5,3.3, height 5.4
CAP_SMD_603 [mm]
  rect 0.85x0.85 smd: 1(-0.775,0) 2(0.775,0)
  silkscreen extent -1.37,-0.59 1.37,0.59, body extent -0.8,-0.4 0.8,0.4, height 0.9
CAP_SMD_805 [mm]
  rect 1.55x1.45 smd: 1(-1.35,0) 2(1.35,0)
  silkscreen extent -2.29,-0.89 2.29,0.89, body extent -1,-0.62 1,0.63, height 0.78
"DIODES SOT-23-3" [mm] "SOT23, 3-Leads, Body 2.90x2.40mm, Pitch 0.95mm, IPC Medium Density"
  rect 0.9x0.8 smd: 1(-1,0.95) 2(-1,-0.95) 3(1,0)
  silkscreen extent -0.7,-1.45 0.7,1.45, body extent -1.41,-1.45 1.41,1.45, height 1.5
"FUSE 1206_3216 0.6MM" [mm] "Chip Fuse 1.5A AC 63V DC, 2-Leads, Body 3.10x1.55mm, IPC Medium Densitym"
  rect 1.25x1.65 smd: 1(-1.725,0) 2(1.725,0)
  silkscreen extent -0.8,-0.72 0.8,0.72, body extent -1.55,-0.77 1.55,0.78, height 0.76
hole_2.6 [mm] "2.6mm hole with exposed ring"
  round 4 hole 2.6: 1(0,0)
  silkscreen extent -2.3,-2.3 2.3,2.3
"JST BM03B-SRSS-TB" [mm] "1.0mm pitch/Disconnectable Crimp style connector"
  rect 0.6x1.55 smd: 1(-1,-1.262) 2(0,-1.262) 3(1,-1.262)
  rect 1.2x1.8 smd: M(-2.3,1.262) M(2.3,1.262)
  silkscreen extent -2.53,-1.68 2.53,1.91, body extent -2.5,-1.69 2.5,1.91, height 4.32
"JST BM05B-SRSS-TB" [mm] "1.0mm pitch/Disconnectable Crimp style connector"
  rect 0.6x1.55 smd: 1(-2,-1.262) 2(-1,-1.262) 3(0,-1.262) 4(1,-1.262) 5(2,-1.262)
  rect 1.2x1.8 smd: M(-3.3,1.262) M(3.3,1.262)
  silkscreen extent -3.53,-1.68 3.53,1.91, body extent -3.5,-1.69 3.5,1.91, height 4.32
"JST BM06B-SRSS-TB" [mm] "1.0mm pitch/Disconnectable Crimp style connector"
  rect 0.6x1.55 smd: 1(-2.5,-1.262) 2(-1.5,-1.262) 3(-0.5,-1.262) 4(0.5,-1.262) 5(1.5,-1.262) 6(2.5,-1.262)
  rect 1.2x1.8 smd: M(-3.8,1.262) M(3.8,1.262)
  silkscreen extent -4.03,-1.68 4.03,1.91, body extent -4,-1.69 4,1.91, height 4.32
"JST BM07B-SRSS-TB" [mm] "1.0mm pitch/Disconnectable Crimp style connector"
  rect 0.6x1.55 smd: 1(-3,-1.262) 2(-2,-1.262) 3(-1,-1.262) 4(0,-1.262) 5(1,-1.262) 6(2,-1.262) 7(3,-1.262)
  rect 1.2x1.8 smd: M(-4.3,1.262) M(4.3,1.262)
  silkscreen extent -4.53,-1.68 4.53,1.91, body extent -4.5,-1.69 4.5,1.91, height 4.32
"JST XH B2B-XH-A" [mm]
  oval 1.75x2.5 hole 1: 1(-1.25,0) 2(1.25,0)
  silkscreen extent -3.7,-3.38 3.7,2.38, body extent -3.7,-3.38 3.7,2.38, height 7
"JST XH B3B-XH-A" [mm]
  oval 1.75x2.5 hole 0.9: 1(-2.5,0) 2(0,0) 3(2.5,0)
  silkscreen extent -4.95,-3.38 4.95,2.38, body extent -4.95,-3.37 4.95,2.38, height 7
"JST XH B4B-XH-A" [mm]
  oval 1.75x2.5 hole 0.9: 1(-3.75,0) 2(-1.25,0) 3(1.25,0) 4(3.75,0)
  silkscreen extent -6.2,-3.38 6.2,2.38, body extent -6.2,-3.38 6.2,2.38, height 7
"JST XH B6B-XH-A" [mm]
  oval 1.75x2.5 hole 0.9: 1(-6.25,0) 2(-3.75,0) 3(-1.25,0) 4(1.25,0) 5(3.75,0) 6(6.25,0)
  silkscreen extent -8.7,-3.38 8.7,2.38, body extent -8.7,-3.38 8.7,2.38, height 7
LED_1206 [mm]
  rect 1.2x1.8 smd: 1(1.473,-0.051) 2(-1.549,-0.051)
  silkscreen extent -0.7,-1.09 0.6,0.94, body extent -1.57,-0.86 1.63,0.74, height 1.11
"MICROCHIP SOT-23-5 OT" [mm] "SOT23, 5-Leads, Body 2.90x2.70mm, Pitch 0.95mm, IPC Medium Density"
  rect 1.1x0.6 smd: 1(-1.4,0.95) 2(-1.4,0) 3(-1.4,-0.95) 4(1.4,-0.95) 5(1.4,0.95)
  silkscreen extent -1.22,-1.5 0.5,1.85, body extent -1.36,-1.45 1.36,1.45, height 1.19
PTS815SJK250SMTRLFS [mm]
  rect 1x0.7 smd: 1(-2.25,1.075) 1(2.25,1.075) 2(-2.25,-1.075) 2(2.25,-1.075)
  silkscreen extent -3.2,-1.6 2.07,1.6, body extent -2.3,-1.6 2.3,1.6, height 2.5
QFN40P1000X1000X90-81N-D [mm]
  rect 0.85x0.2 smd: 1(-4.95,3.8) 2(-4.95,3.4) 3(-4.95,3) 4(-4.95,2.6) 5(-4.95,2.2) 6(-4.95,1.8) 7(-4.95,1.4) 8(-4.95,1) 9(-4.95,0.6) 10(-4.95,0.2) 11(-4.95,-0.2) 12(-4.95,-0.6) 13(-4.95,-1) 14(-4.95,-1.4) 15(-4.95,-1.8) 16(-4.95,-2.2) 17(-4.95,-2.6) 18(-4.95,-3) 19(-4.95,-3.4) 20(-4.95,-3.8) 41(4.95,-3.8) 42(4.95,-3.4) 43(4.95,-3) 44(4.95,-2.6) 45(4.95,-2.2) 46(4.95,-1.8) 47(4.95,-1.4) 48(4.95,-1) 49(4.95,-0.6) 50(4.95,-0.2) 51(4.95,0.2) 52(4.95,0.6) 53(4.95,1) 54(4.95,1.4) 55(4.95,1.8) 56(4.95,2.2) 57(4.95,2.6) 58(4.95,3) 59(4.95,3.4) 60(4.95,3.8)
  rect 0.2x0.85 smd: 21(-3.8,-4.95) 22(-3.4,-4.95) 23(-3,-4.95) 24(-2.6,-4.95) 25(-2.2,-4.95) 26(-1.8,-4.95) 27(-1.4,-4.95) 28(-1,-4.95) 29(-0.6,-4.95) 30(-0.2,-4.95) 31(0.2,-4.95) 32(0.6,-4.95) 33(1,-4.95) 34(1.4,-4.95) 35(1.8,-4.95) 36(2.2,-4.95) 37(2.6,-4.95) 38(3,-4.95) 39(3.4,-4.95) 40(3.8,-4.95) 61(3.8,4.95) 62(3.4,4.95) 63(3,4.95) 64(2.6,4.95) 65(2.2,4.95) 66(1.8,4.95) 67(1.4,4.95) 68(1,4.95) 69(0.6,4.95) 70(0.2,4.95) 71(-0.2,4.95) 72(-0.6,4.95) 73(-1,4.95) 74(-1.4,4.95) 75(-1.8,4.95) 76(-2.2,4.95) 77(-2.6,4.95) 78(-3,4.95) 79(-3.4,4.95) 80(-3.8,4.95)
  rect 3.45x3.45 smd: 81(0,0)
  silkscreen extent -5.47,4.3 -5.28,4.5, body extent -5.05,-5.05 5.05,5.05, height 0.9
QFN80P400X400X90-13N-D [mm]
  rect 0.95x0.35 smd: 1(-1.9,0.8) 2(-1.9,0) 3(-1.9,-0.8) 7(1.9,-0.8) 8(1.9,0) 9(1.9,0.8)
  rect 0.35x0.95 smd: 4(-0.8,-1.9) 5(0,-1.9) 6(0.8,-1.9) 10(0.8,1.9) 11(0,1.9) 12(-0.8,1.9)
  rect 2.2x2.2 smd: 13(0,0)
  silkscreen extent -2.57,1.8 -2.17,2.2, body extent -2.05,-2.05 2.05,2.05, height 0.9
"RES 0402_1005" [mm] "Chip Resistor, 2-Leads, Body 1.0x0.5mm, IPC Medium Density"
  rect 0.75x0.6 smd: 1(-0.575,0) 2(0.575,0)
  silkscreen extent -1.14,-0.51 1.14,0.51, body extent -0.5,-0.25 0.5,0.25, height 0.35
"RES 1206_3216" [mm] "Chip Resistor, 2-Leads, Body 3.13x1.55mm, IPC Medium Density"
  rect 1.2x1.65 smd: 1(-1.4,0) 2(1.4,0)
  silkscreen extent -2.3,-1.1 2.3,1.1, body extent -1.6,-0.8 1.6,0.8, height 0.6
RES_0603 [mm]
  rect 0.6x0.85 smd: 1(0,0) 2(1.244,0)
  silkscreen extent 0.52,-0.33 0.72,0.33, body extent -0.14,-0.38 1.38,0.38, height 0.45
SOD123F [mm] "SODFL, 2-Leads, Body 1.60x3.50mm, IPC Medium Density"
  rect 1.2x1.2 smd: 1(-1.43,0) 2(1.43,0)
  silkscreen extent -2.41,-1.02 2.41,1.02, body extent -1.75,-0.8 1.75,0.8, height 1.1
"SOD323 IPC" [mm] "SOD, 2-Leads, Body 1.25x2.50mm, IPC Medium Density"
  rect 0.625x0.83 smd: 1(-1.112,0) 2(1.112,0)
  silkscreen extent -1.78,-0.7 1.68,0.7, body extent -1.36,-0.62 1.36,0.63, height 1.05
SON65P200X200X80-7N [mm]
  rect 0.6x0.35 smd: 1(-1.05,0.65) 2(-1.05,0) 3(-1.05,-0.65) 4(1.05,-0.65) 5(1.05,0) 6(1.05,0.65)
  rect 1.1x1.7 smd: 7(0,0)
  silkscreen extent -1.47,1.2 -1.22,1.45, body extent -1,-1 1,1, height 0.8
SON127P600X500X80-9N-D [mm]
  rect 1.05x0.45 smd: 1(-2.85,1.905) 2(-2.85,0.635) 3(-2.85,-0.635) 4(-2.85,-1.905) 5(2.85,-1.905) 6(2.85,-0.635) 7(2.85,0.635) 8(2.85,1.905)
  rect 3.45x4.35 smd: 9(0,0)
  silkscreen extent -3.5,2.51 -3.25,2.75, body extent -3.05,-2.5 3.05,2.5, height 0.8
SOP50P490X110-10N [mm]
  rect 1.4x0.3 smd: 1(-2.2,1) 2(-2.2,0.5) 3(-2.2,0) 4(-2.2,-0.5) 5(-2.2,-1) 6(2.2,-1) 7(2.2,-0.5) 8(2.2,0) 9(2.2,0.5) 10(2.2,1)
  silkscreen extent -2.9,-1.5 1.15,1.5, body extent -2.46,-1.5 2.46,1.5, height 1.1
SOT23-8_DDF_TEX [mm]
  rect 0.998x0.431 smd paste+0 mask+0: 1(-1.324,0.975) 2(-1.324,0.325) 3(-1.324,-0.325) 4(-1.324,-0.975) 5(1.324,-0.975) 6(1.324,-0.325) 7(1.324,0.325) 8(1.324,0.975)
  silkscreen extent -1.78,-1.6 0.95,1.78, body extent -1.41,-1.45 1.41,1.45, height 0.9
SOT95P280X145-5N [mm]
  rect 1.2x0.6 smd: 1(-1.25,0.95) 2(-1.25,0) 3(-1.25,-0.95) 4(1.25,-0.95) 5(1.25,0.95)
  silkscreen extent -1.85,-1.45 0.3,1.5, body extent -1.4,-1.45 1.4,1.45, height 1.2
SRN6045TA [mm]
  rect 5.1x1.8 smd: 1(0,2.35) 2(0,-2.35)
  silkscreen extent -3,-3 3,3.53, body extent -3,-3 3,3, height 4
"WURTH WS-SLSU 450404015514" [mm] "Right angle Slide Switch"
  rect 0.7x1.1 smd: 1(2.25,-2.05) 2(-0.75,-2.05) 3(-2.25,-2.05)
  rect 1x0.8 smd: M(-3.75,-1.15) M(-3.75,1.15) M(3.75,-1.15) M(3.75,1.15)
  round 0.9 hole 0.9 unplated: MH(-1.5,0) MH(1.5,0)
  silkscreen extent -3.35,-1.35 3.35,2.85, body extent -3.85,-2.25 3.85,2.88, height 1.4